# KiCad board copy.kicad_pcb (continued)
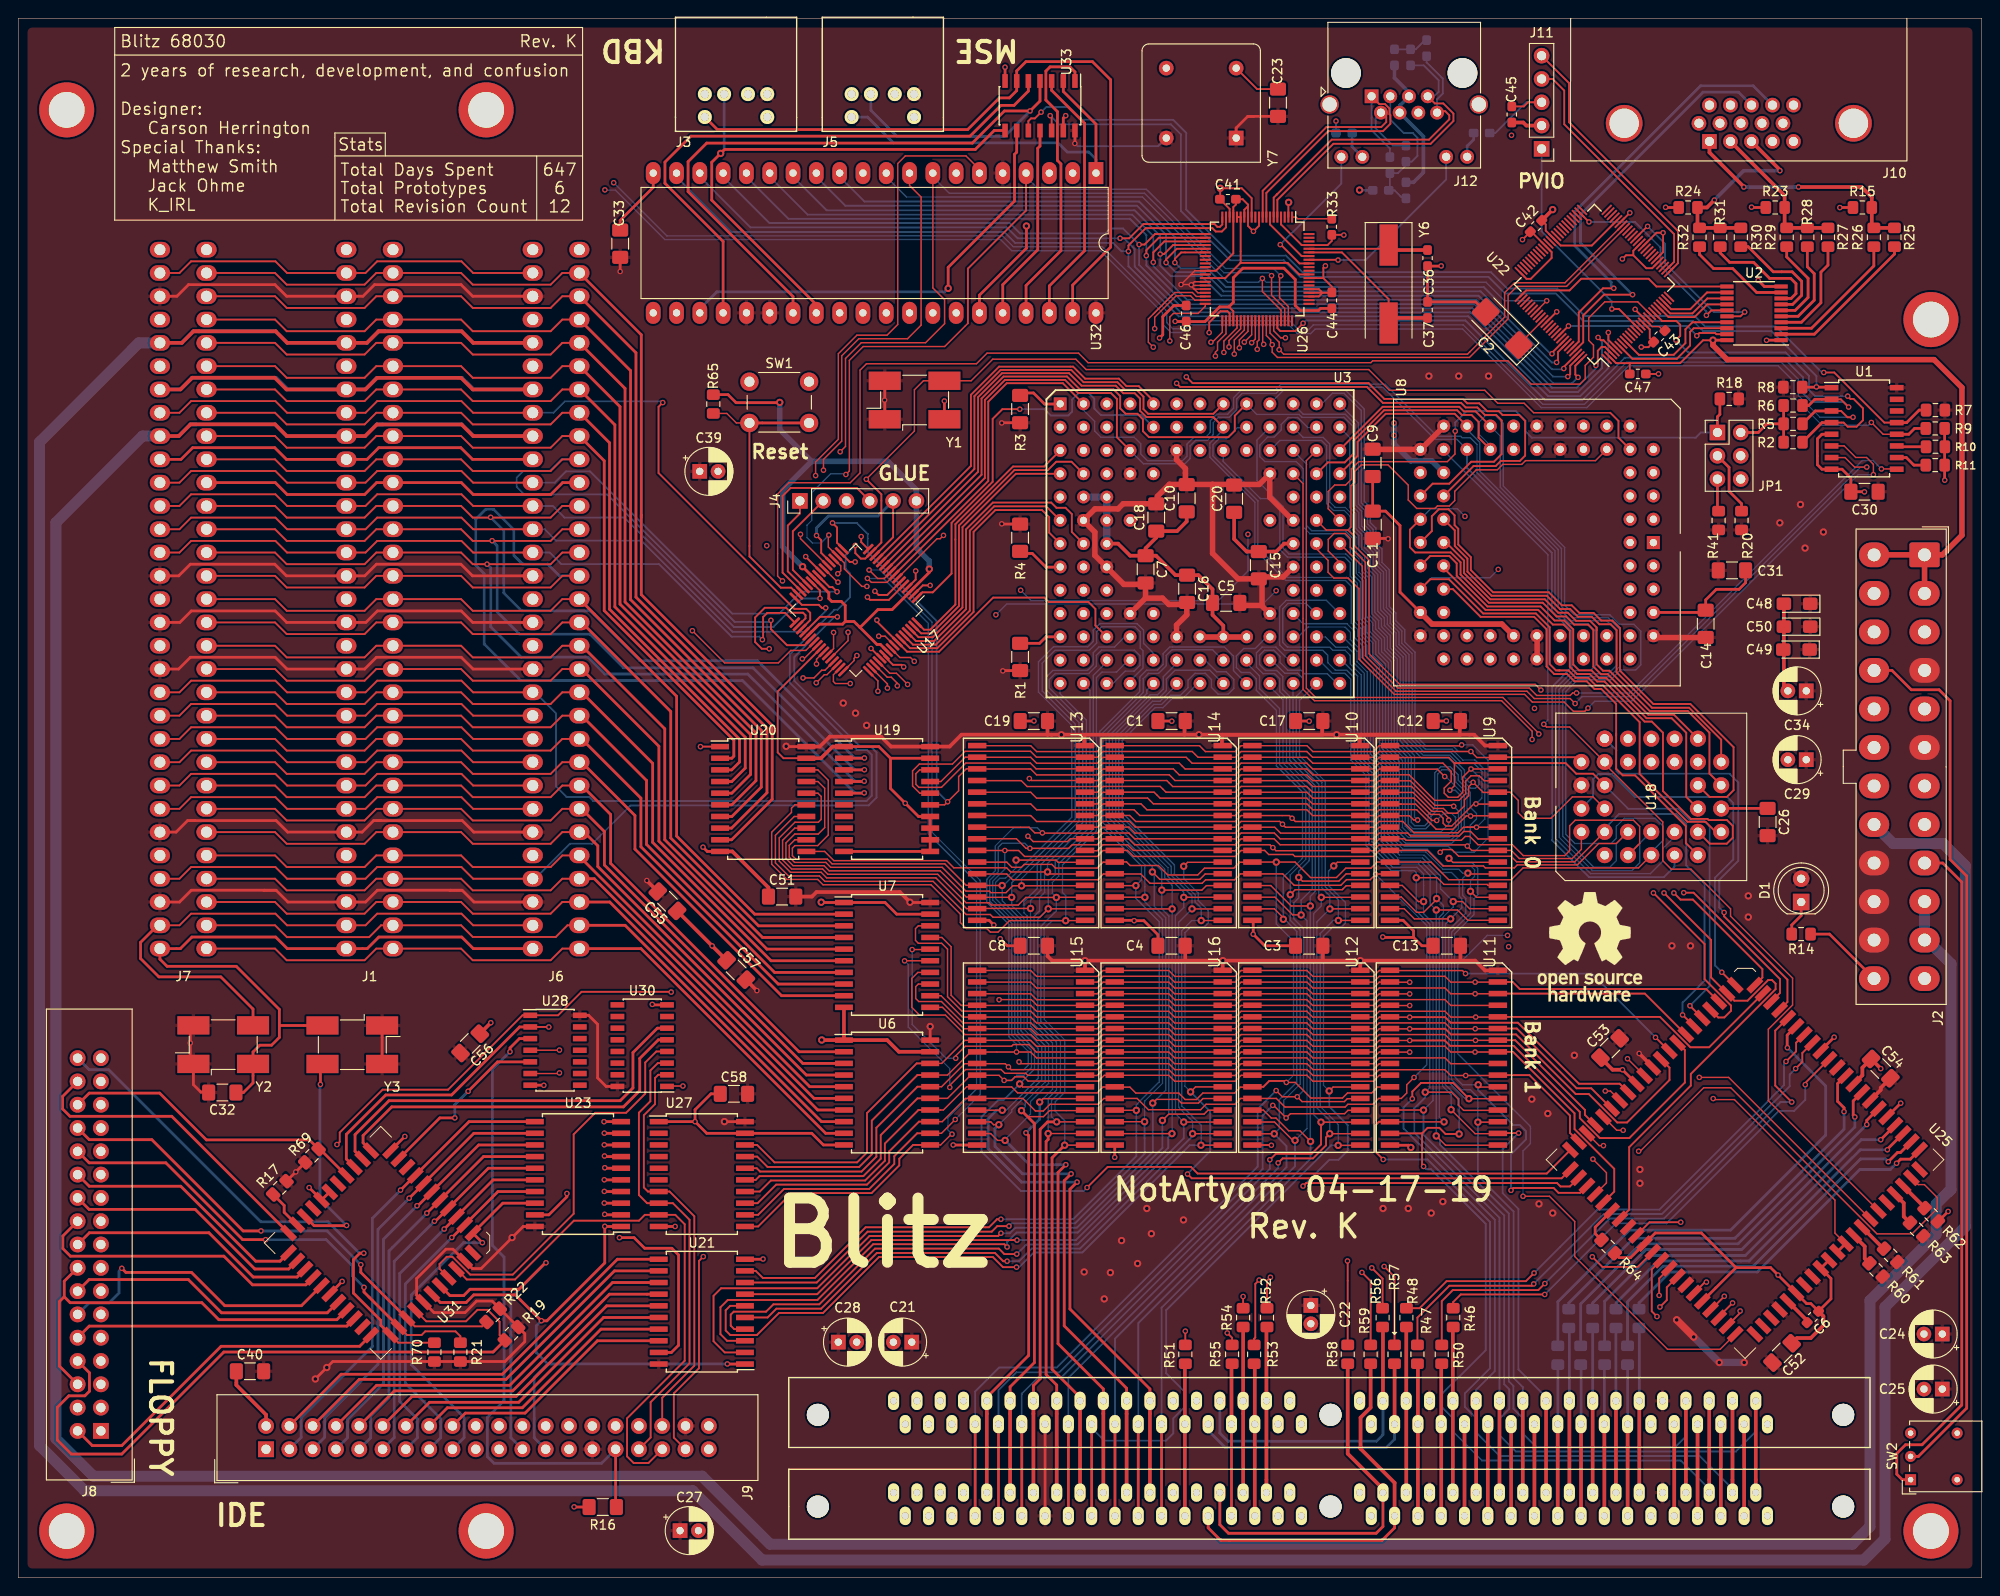
[diagram p0: board, top side]
## Routing (per net, layer and track width the routed paths; a pad name or vN(x,y) marks a point on that pad's centre or on a via; arc(x,y) is an arc through that point) (continued)
  Bottom w0.2: v1(168.89,130.94) 167.29,130.94 158.92,139.31 127.39,139.31 123.71,142.99 v1(123.71,143.41) 123.71,146.29 121.4,148.6 86.03,148.6 81.9,152.73 U32.15
/D28: length 446.4
  Top w0.15: U20.14 84.57,82.98 82.52,80.93 82.52,77.93 83.95,76.5 87.32,76.5 87.91,75.91 99.71,75.91 103.32,72.3 105.94,72.3 106.24,72 111.34,72 v2(112.26,72.92) 115.99,72.92 116,72.91 ; 115.98,48.41 115.97,48.42 v2(112.25,48.42)
  Top w0.2: 155.33,112.7 155.77,112.7 157.58,110.89 157.58,109.52 160.44,106.66 166.39,106.66 167.85,105.2 168.9,105.2 169.78,104.32 171.31,104.32 172.03,103.6 172.03,103.3 ; 172.03,103.3 172.03,103.5 ; 172.03,103.3 172.03,99.58 172.73,98.88 173.42,98.88 177.82,94.48 181.97,94.48 184.33,92.12 184.33,87.67 U18.18 ; v1(170.01,130.86) 169.71,131.16 169.71,132.12 U22.100 ; v1(122.95,144.13) 122.95,144.72 124.31,146.08 U26.22
  Top w0.3: v1(63.92,44.69) 63.97,44.63 U23.6 ; v2(112.25,48.42) 112.25,47.78 112.03,47.55 112.03,22.15 113.18,20.99 U5.58
  Top w0.4: U5.58 U24.58
  In1.Cu w0.15: v2(112.25,48.42) 111.68,48.42 111.14,47.88 108.63,47.88 107.97,48.54 106.42,48.54 106,48.96 100.43,48.96 96.16,44.69 v1(63.92,44.69)
  In2.Cu w0.15: U3.N2 117.58,98.97 117.58,100.53 118.22,101.17 119.47,101.17 119.81,101.51 121.7,101.51 122.24,102.05 122.24,103.22 123.03,104.01 124.57,104.01 125.99,105.43 125.99,107.67 130.66,112.34 136.37,112.34 138.33,114.3 150.62,114.3 150.98,113.94 154.27,113.94 U8.36 156.41,112.85 163.13,119.57 166.41,119.57 169.12,122.28 169.12,126.19 165.25,130.06 165.25,134.12 166.19,135.06 171.45,135.06 172.56,133.95 172.56,131.64 171.78,130.86 v1(170.01,130.86)
  Bottom w0.15: v2(112.25,48.42) 112.25,52.25 113.16,53.16 113.16,58.38 111.11,60.43 111.11,71.77 v2(112.26,72.92) 112.26,75.9 113.01,76.65 113.01,78.05 116.81,81.85 116.81,96.74 116.08,97.47
  Bottom w0.2: v1(170.01,130.86) 169.37,130.22 167.3,130.22 158.68,138.84 127.17,138.84 122.95,143.06 v1(122.95,144.13) 122.95,146.36 121.16,148.15 83.94,148.15 79.36,152.73 U32.16
/D29: length 461.3
  Top w0.15: 116,74.18 113.16,74.18 v2(113.14,74.16) 109.82,74.16 108.99,73.33 106.05,73.33 105.8,73.58 103.31,73.58 100.21,76.68 88.24,76.68 87.66,77.26 84.29,77.26 83.3,78.25 83.3,80.39 84.62,81.72 U20.13 ; 115.98,49.69 115.97,49.69 v2(113.18,49.69)
  Top w0.2: U18.19 184.34,85.12 186.23,85.12 186.96,85.85 186.96,90.54 182.25,95.25 178.21,95.25 174.58,98.88 174.58,103.52 173.75,104.35 172.53,104.35 171.7,105.18 170.15,105.18 169.32,106.01 168.24,106.01 166.82,107.43 160.74,107.43 158.32,109.85 158.32,111.26 156.95,112.63 156.95,114.35 156.55,114.75 156.55,115.82 155.89,116.48 154.83,116.48 154.07,115.72 154.07,114.1 U8.35 ; v1(171.95,132.16) 172.16,132.37 172.16,133.76 172.58,134.18 172.94,134.18 U22.3 ; U26.21 123.89,146.48 122.75,145.34 v1(122.16,145.34)
  Top w0.3: U5.60 110.64,20.94 111.38,21.68 111.38,48.88 112.19,49.69 v2(113.18,49.69) ; U23.7 63.96,45.91 v1(63.89,45.97)
  Top w0.4: U5.60 U24.60
  In1.Cu w0.15: v1(63.89,45.97) 64.63,45.97 65.07,45.53 95.73,45.53 100.75,50.55 106.46,50.55 106.89,50.12 112.75,50.12 v2(113.18,49.69)
  In2.Cu w0.15: U3.M3 119.34,100.73 119.58,100.73 120.01,101.16 121.84,101.16 122.59,101.91 122.59,103.07 123.19,103.67 124.73,103.67 126.32,105.26 126.32,107.5 130.81,111.99 136.5,111.99 138.46,113.95 150.45,113.95 151.55,112.85 U8.35 153.86,111.81 155.92,111.81 163.31,119.2 166.54,119.2 169.48,122.14 169.48,126.34 165.62,130.2 165.62,133.92 166.4,134.7 171.27,134.7 172.13,133.84 172.13,132.76 171.95,132.58 v1(171.95,132.16)
  Bottom w0.15: v2(113.18,49.69) 112.61,50.26 112.61,52.03 113.58,53 113.58,58.52 111.46,60.64 111.46,71.02 113.14,72.7 v2(113.14,74.16) 112.71,74.59 112.71,75.8 113.41,76.5 113.41,77.85 117.17,81.61 117.17,98.37 118.57,99.77
  Bottom w0.2: v1(171.95,132.16) 171.95,131.83 169.86,129.74 167.14,129.74 158.48,138.4 126.88,138.4 122.16,143.12 v1(122.16,145.34) 120.41,147.09 119.03,147.09 118.49,146.55 109.19,146.55 108.05,147.69 81.86,147.69 76.82,152.73 U32.17
/D30: length 463.1
  Top w0.15: U20.12 84.63,80.44 84.03,79.84 84.03,78.56 84.61,77.98 88.01,77.98 88.55,77.44 100.7,77.44 103.29,74.85 105.84,74.85 106.01,74.68 107.65,74.68 108.4,75.43 v2(109.35,75.43) 115.99,75.43 116,75.44 ; v2(109.34,50.92) 110,50.26 111.74,50.26 112.4,50.92 115.94,50.92 115.98,50.96
  Top w0.2: U18.20 185.61,91.35 182.12,94.84 178.07,94.84 174.2,98.71 174.2,103.31 173.57,103.94 172.33,103.94 171.52,104.75 170,104.75 169.15,105.6 168.05,105.6 166.6,107.05 160.58,107.05 157.95,109.68 157.95,111.1 156.57,112.48 156.57,114.18 U8.34 ; v1(120.09,146.02) 121.08,146.02 122.63,147.57 130.39,147.57 130.69,147.27 130.97,147.27 131.23,147.53 U26.20 ; v1(172.19,135.21) 172.49,134.91 172.78,134.91 U22.4
  Top w0.3: U23.8 63.88,47.18 v1(63.87,47.19) ; v2(109.34,50.92) 110.75,49.51 110.75,23.45 108.1,20.8 U5.62
  Top w0.4: U5.62 U24.62
  In1.Cu w0.15: v1(63.87,47.19) 64.96,47.19 65.74,46.41 95.27,46.41 100.65,51.79 108.47,51.79 v2(109.34,50.92)
  In2.Cu w0.15: U3.L4 121.18,102.96 122.63,104.41 122.63,107.49 129.31,114.17 129.31,115.08 130.62,116.39 149.98,116.39 152.08,114.29 154.26,114.29 U8.34 156.07,114.68 157.71,114.68 162.95,119.92 165.1,119.92 166.96,121.78 166.96,126.45 164.88,128.53 164.88,134.3 166.01,135.43 171.98,135.43 172.22,135.19
  Bottom w0.15: v2(109.34,50.92) 109.74,51.32 109.74,51.85 111.93,54.04 111.93,57.99 109.96,59.96 109.96,72.15 109.61,72.5 109.61,73.7 111.06,75.15 111.06,77.92 111.34,78.2 ; 111.34,78.2 109.35,76.21 v2(109.35,75.43) ; 111.34,78.2 115.61,82.47 115.61,93.23 111.99,96.85 111.99,98.15 112.75,98.91 116.54,98.91 117.17,99.54 117.17,100.85 117.78,101.46 119.48,101.46 120.57,102.55 121.16,102.55
  Bottom w0.2: U32.18 74.28,152.73 79.8,147.21 107.73,147.21 108.92,146.02 v1(120.09,146.02) 120.51,146.02 121.68,144.85 121.68,142.94 126.67,137.95 158.27,137.95 166.96,129.26 170.01,129.26 172.62,131.87 172.62,134.78 v1(172.19,135.21)
/D31: length 455.9
  Top w0.15: 115.98,52.22 111.69,52.22 v2(111.32,51.85) ; 116,76.72 112.41,76.72 v2(112.18,76.94) 108.17,76.94 107.72,77.39 101.96,77.39 101.18,78.17 88.89,78.17 87.88,79.18 U20.11
  Top w0.2: U8.33 151.68,114.25 151.68,112.34 152.25,111.77 156.13,111.77 157.2,110.7 157.2,109.37 160.28,106.29 166.16,106.29 167.66,104.79 168.7,104.79 169.59,103.9 171.1,103.9 171.67,103.33 171.67,99.33 172.51,98.49 173.25,98.49 177.66,94.08 180.46,94.08 U18.21 ; v1(173.31,135.75) 173.31,134.94 U22.5 ; v1(121,144.6) 121,145.24 122.89,147.13 130.15,147.13 130.52,146.76 131.18,146.76 131.63,147.21 U26.19
  Top w0.3: v1(109.82,48.5) 110.12,48.2 110.12,24.24 105.56,19.67 U5.64 ; U23.9 63.88,48.44 v1(63.87,48.46)
  Top w0.4: U5.64 U24.64
  In1.Cu w0.15: v2(111.32,51.85) 110.75,51.85 110.39,52.21 100.46,52.21 95.11,46.86 66.05,46.86 64.45,48.46 v1(63.87,48.46)
  In2.Cu w0.15: U8.33 151.54,115.39 150.19,116.74 130.47,116.74 128.95,115.22 128.95,114.3 122.29,107.64 122.29,104.59 121.58,103.88 120.7,103.88 119.94,103.12 119.94,102.25 119.21,101.52 117.96,101.52 117.21,100.77 117.21,99.39 116.56,98.74 114.81,98.74 U3.N1 ; v1(157.68,115.7) 158.18,115.7 162.78,120.31 164.93,120.31 166.58,121.95 166.58,126.28 164.56,128.31 164.56,134.48 165.86,135.78 171.55,135.78 171.79,136.03 172.61,136.03 172.89,135.75 v1(173.31,135.75)
  Bottom w0.15: v2(111.32,51.85) 112.73,53.26 112.73,58.29 110.71,60.31 110.71,72.1 111.31,72.7 111.31,74.15 111.86,74.7 111.86,76.62 v2(112.18,76.94) 112.18,77.87 116.41,82.1 116.41,93.5 113.54,96.37 113.54,97.47 ; U8.33 153.96,116.53 156.85,116.53 v1(157.68,115.7)
  Bottom w0.2: U32.19 71.74,152.73 77.76,146.71 107.46,146.71 108.65,145.52 119.32,145.52 120.23,144.61 120.99,144.61 v1(121,144.6) 121,142.97 126.46,137.51 158.04,137.51 166.74,128.81 170.25,128.81 173.31,131.87 v1(173.31,135.75)
  Bottom w0.3: v1(109.82,48.5) 111.32,50 v2(111.32,51.85)
/G0: length 11.7
  Top w0.3: 192.14,136.87 194.36,136.87 196.48,138.99 196.48,142.33 197.25,143.1 R27.2
/G1: length 10.5
  Top w0.3: U2.5 194,137.51 195.75,139.27 195.75,142.17 195,142.92 R28.2
/G2: length 10
  Top w0.3: U2.6 193.68,138.17 195.08,139.57 195.08,141.66 192.75,143.99 R29.2
/IA0: length 79.9
  Top w0.2: J1.A31 48.26,68.58 49.53,67.31 58.02,67.31 59.29,68.58 J6.A31 ; 40.87,68.58 39.01,68.58 37.74,67.31 29.25,67.31 27.98,68.58 20.55,68.58
  Top w0.3: U6.9 88,48.44 67.86,68.58 J6.A31
/IA1: length 80.4
  Top w0.2: J6.A30 59.85,71.12 58.58,69.85 49.53,69.85 48.26,71.12 J1.A30 39.53,71.12 38.24,69.83 29.27,69.83 27.98,71.12 20.55,71.12
  Top w0.3: J6.A30 66.14,71.12 87.54,49.72 89.99,49.72
/IA2: length 81
  Top w0.2: J1.A29 48.26,73.66 49.53,72.39 58.02,72.39 59.29,73.66 J6.A29 ; 20.55,73.66 27.98,73.66 29.25,72.39 37.74,72.39 39.01,73.66 40.87,73.66
  Top w0.3: U6.7 87.13,50.99 64.46,73.66 J6.A29
/IA3: length 81.5
  Top w0.2: J6.A28 59.29,76.2 58.02,74.93 49.53,74.93 48.26,76.2 J1.A28 ; 20.55,76.2 27.98,76.2 29.25,74.93 37.74,74.93 39.01,76.2 40.87,76.2
  Top w0.3: J6.A28 62.78,76.2 86.72,52.25 U6.6
/IA4: length 82.1
  Top w0.2: J1.A27 48.26,78.74 49.53,77.47 58.02,77.47 59.29,78.74 J6.A27 ; 40.87,78.74 39.01,78.74 37.74,77.47 29.25,77.47 27.98,78.74 20.55,78.74
  Top w0.3: 61.11,78.76 61.11,78.68 86.26,53.53 U6.5
/IA5: length 83.9
  Top w0.2: J1.A26 48.26,81.28 49.53,80.01 58.02,80.01 59.29,81.28 J6.A26 ; 40.87,81.28 39.01,81.28 37.74,80.01 29.25,80.01 27.98,81.28 20.55,81.28
  Top w0.3: U6.4 85.9,54.79 63.16,77.53 63.16,79.79 61.67,81.28 J6.A26
/IA6: length 85.2
  Top w0.2: J1.A25 48.26,83.82 49.53,82.55 58.02,82.55 59.29,83.82 J6.A25 ; 40.87,83.82 39.01,83.82 37.74,82.55 29.25,82.55 27.98,83.82 20.55,83.82
  Top w0.3: U6.3 85.5,56.06 63.88,77.69 63.88,81.34 61.4,83.82 J6.A25
/IA7: length 86.7
  Top w0.2: J1.A24 48.26,86.36 49.53,85.09 58.02,85.09 59.29,86.36 J6.A24 ; 20.55,86.36 27.98,86.36 29.25,85.09 37.74,85.09 39.01,86.36 40.87,86.36
  Top w0.3: 89.99,57.34 85.09,57.34 64.56,77.87 64.56,83.2 61.4,86.36 J6.A24
/IA8: length 84.3
  Top w0.2: J1.A23 48.26,88.9 49.53,87.63 58.02,87.63 59.29,88.9 J6.A23 ; 40.87,88.9 39.01,88.9 37.74,87.63 29.25,87.63 27.98,88.9 20.55,88.9
  Top w0.3: J6.A23 61.4,88.9 67.21,83.09 67.21,79.43 83.19,63.44 U7.9
/IA9: length 88
  Top w0.2: J6.A22 59.29,91.44 58.02,90.17 49.53,90.17 48.26,91.44 J1.A22 ; 20.55,91.44 27.98,91.44 29.25,90.17 37.74,90.17 39.01,91.44 40.87,91.44
  Top w0.3: J6.A22 61.4,91.44 67.86,84.98 67.86,79.68 82.82,64.72 89.99,64.72 ; 61.16,91.44 61.92,91.44 ; 20.51,91.42 21.27,91.42 ; 40.87,91.44 41.63,91.44
/IA10: length 87.3
  Top w0.2: J1.A21 48.26,93.98 49.53,92.71 58.02,92.71 59.29,93.98 J6.A21 ; 20.55,93.98 27.98,93.98 29.25,92.71 37.74,92.71 39.01,93.98 40.87,93.98
  Top w0.3: U7.7 82.43,65.99 68.47,79.94 68.47,86.91 61.4,93.98 J6.A21
/IA11: length 88.8
  Top w0.2: 20.55,96.52 27.98,96.52 29.25,95.25 37.74,95.25 39.01,96.52 40.87,96.52 ; J1.A20 48.26,96.52 49.53,95.25 58.02,95.25 59.29,96.52 J6.A20
  Top w0.3: J6.A20 61.4,96.52 69.14,88.78 69.14,80.16 82.04,67.25 U7.6
/IA12: length 90.3
  Top w0.2: J1.A19 48.26,99.06 49.53,97.79 58.02,97.79 59.29,99.06 J6.A19 ; 20.55,99.06 27.98,99.06 29.25,97.79 37.74,97.79 39.01,99.06 40.87,99.06
  Top w0.3: U7.5 81.59,68.53 69.82,80.3 69.82,90.64 61.4,99.06 J6.A19
/IA13: length 91.8
  Top w0.2: J1.A18 48.26,101.6 49.53,100.33 58.02,100.33 59.29,101.6 J6.A18 ; 20.55,101.6 27.98,101.6 29.25,100.33 37.74,100.33 39.01,101.6 40.87,101.6
  Top w0.3: J6.A18 61.4,101.6 70.46,92.54 70.46,80.45 81.12,69.79 U7.4
/IA14: length 93.4
  Top w0.2: J6.A17 59.29,104.14 58.02,102.87 49.53,102.87 48.26,104.14 J1.A17 ; 40.87,104.14 39.01,104.14 37.74,102.87 29.25,102.87 27.98,104.14 20.55,104.14
  Top w0.3: U7.3 80.69,71.06 71.11,80.64 71.11,94.43 61.4,104.14 J6.A17
/IA15: length 94.7
  Top w0.2: J1.A16 48.26,106.68 49.53,105.41 58.02,105.41 59.29,106.68 J6.A16 ; 20.55,106.68 27.98,106.68 29.25,105.41 37.74,105.41 39.01,106.68 40.87,106.68
  Top w0.3: 89.99,72.34 80.26,72.34 71.75,80.85 71.75,96.09 61.16,106.68
/IA16: length 123.5
  Top w0.2: J1.A15 48.26,109.22 49.53,107.95 58.02,107.95 59.29,109.22 J6.A15 ; 20.55,109.22 27.98,109.22 29.25,107.95 37.74,107.95 39.01,109.22 40.87,109.22
  Top w0.3: v1(92.2,85.56) 92.16,85.53 U19.5
  Bottom w0.3: v1(92.2,85.56) 91.18,85.56 78.94,97.8 54.77,97.8 50.78,101.79 50.78,109.45 49.85,110.38 49.85,115.39 50.93,116.47 51.81,116.47 54.01,114.27 54.01,111.45 54.96,110.5 57.7,110.5 58.98,109.22 J6.A15
/IA17: length 99.6
  Top w0.2: J1.A14 48.26,111.76 49.53,110.49 58.02,110.49 59.29,111.76 J6.A14 ; 20.55,111.76 27.98,111.76 29.25,110.49 37.74,110.49 39.01,111.76 40.87,111.76
  Top w0.3: U19.4 92.16,86.8 v1(92.2,86.83)
  Bottom w0.3: v1(51.09,110.49) 51.49,110.09 51.49,103.66 54.8,100.35 62.1,100.35 63.94,98.52 79.51,98.52 91.2,86.83 v1(92.2,86.83)
/IA18: length 100.1
  Top w0.2: 20.55,114.3 27.98,114.3 29.25,113.03 37.74,113.03 39.01,114.3 40.87,114.3 ; J6.A13 59.29,114.3 58.02,113.03 49.53,113.03 48.26,114.3 J1.A13
  Top w0.3: U19.3 92.21,88.06 v1(92.22,88.08)
  Bottom w0.3: v1(51.64,113.05) 52.18,112.51 52.18,105.3 54.61,102.87 62.3,102.87 65.98,99.19 80.07,99.19 91.18,88.08 v1(92.22,88.08)
/IA19: length 100.6
  Top w0.2: J1.A12 48.26,116.84 49.53,115.57 58.02,115.57 59.29,116.84 J6.A12 ; 20.55,116.84 27.98,116.84 29.25,115.57 37.74,115.57 39.01,116.84 40.87,116.84
  Top w0.3: U19.2 92.19,89.33 v1(92.22,89.36)
  Bottom w0.3: v1(51.48,115.6) 52.91,114.17 52.91,107.35 54.85,105.41 62.31,105.41 67.75,99.97 80.55,99.97 91.16,89.36 v1(92.22,89.36)
/ID0: length 86.2
  Top w0.2: J1.A9 48.26,124.46 49.53,123.19 58.02,123.19 59.29,124.46 J6.A9 ; 20.55,124.46 27.98,124.46 29.25,123.19 37.74,123.19 39.01,124.46 40.87,124.46
  Top w0.3: 61.16,124.46 63.86,121.76 63.86,105.43 77.99,91.3 77.99,89.56 77.76,89.33 U20.2
/ID1: length 90.5
  Top w0.2: J6.A8 59.29,127 58.02,125.73 49.53,125.73 48.26,127 J1.A8 ; 40.87,127 39.01,127 37.74,125.73 29.25,125.73 27.98,127 20.55,127
  Top w0.3: U20.3 77.75,88.06 78.61,88.92 78.61,91.41 64.44,105.58 64.44,123.72 61.16,127
/ID2: length 94.9
  Top w0.2: J1.A7 48.26,129.54 49.53,128.27 58.02,128.27 59.29,129.54 J6.A7 ; 20.55,129.54 27.98,129.54 29.25,128.27 37.74,128.27 39.01,129.54 40.87,129.54
  Top w0.3: 61.16,129.54 65.02,125.68 65.02,105.84 79.23,91.63 79.23,88.26 77.76,86.8 U20.4
/ID3: length 99.1
  Top w0.2: J1.A6 48.26,132.08 49.53,130.81 58.02,130.81 59.29,132.08 J6.A6 ; 40.87,132.08 39.01,132.08 37.74,130.81 29.25,130.81 27.98,132.08 20.55,132.08
  Top w0.3: U20.5 77.76,85.53 79.81,87.57 79.81,91.91 65.58,106.14 65.58,127.66 61.16,132.08
/ID4: length 103.4
  Top w0.2: J1.A5 48.26,134.62 49.53,133.35 58.02,133.35 59.29,134.62 J6.A5 ; 40.87,134.62 39.01,134.62 37.74,133.35 29.25,133.35 27.98,134.62 20.55,134.62
  Top w0.3: U20.6 77.76,84.25 80.4,86.89 80.4,92.1 66.13,106.37 66.13,129.65 61.16,134.62
/ID5: length 107.7
  Top w0.2: J1.A4 48.26,137.16 49.53,135.89 58.02,135.89 59.29,137.16 J6.A4 ; 40.87,137.16 39.01,137.16 37.74,135.89 29.25,135.89 27.98,137.16 20.55,137.16
  Top w0.3: U20.7 77.78,82.98 80.98,86.19 80.98,92.38 66.73,106.63 66.73,131.59 61.16,137.16
/ID6: length 112
  Top w0.2: J1.A3 48.26,139.7 49.53,138.43 58.02,138.43 59.29,139.7 J6.A3 ; 20.55,139.7 27.98,139.7 29.25,138.43 37.74,138.43 39.01,139.7 40.87,139.7
  Top w0.3: 61.16,139.7 67.32,133.54 67.32,106.9 81.6,92.62 81.6,85.57 77.75,81.72 U20.8
/ID7: length 116.6
  Top w0.2: J6.A2 59.29,142.24 58.02,140.97 49.53,140.97 48.26,142.24 J1.A2 ; 20.55,142.24 27.98,142.24 29.25,140.97 37.74,140.97 39.01,142.24 40.87,142.24
  Top w0.3: U20.9 77.75,80.44 82.17,84.87 82.17,92.9 67.9,107.17 67.9,115.86 ; 67.9,115.86 67.9,115.58 ; 67.9,115.86 67.9,135.5 61.16,142.24
/IOA0: length 61.3
  Top w0.2: J9.35 68.68,12.5 67.07,12.5 66.35,13.22 66.35,17.37 72.63,23.65 72.63,38.53 71.6,39.56 U27.9 68.28,39.56 67.65,38.92 60.55,38.92 54.14,32.51 48.88,32.51 U31.4
/IOA1: length 50.2
  Top w0.2: J9.33 68.92,15.28 68.92,19.13 73.16,23.37 73.16,39.01 71.34,40.82 U27.8 68.53,40.82 67.64,41.72 67.64,50.69 68.89,51.94 68.89,55.29 69.69,56.09 U30.3
/IOA2: length 45
  Top w0.2: J9.36 70.18,19.61 73.68,23.11 73.68,39.4 70.99,42.09 U27.7 68.62,42.09 68.18,42.54 68.18,50.41 69.4,51.63 69.4,54.47 69.75,54.82 U30.2
/IOD16: length 47.8
  Top w0.3: U21.11 65.29,34.72 52.76,22.18 35.18,22.18 J9.4
/IOD17: length 44.7
  Top w0.3: U21.12 64.97,33.44 53.15,21.62 37.16,21.62 J9.6
/IOD18: length 41.7
  Top w0.3: J9.8 39.05,20.97 53.56,20.97 64.76,32.18 U21.13
/IOD19: length 38.6
  Top w0.3: J9.10 40.99,20.37 53.89,20.37 64.43,30.91 U21.14
/IOD20: length 35.5
  Top w0.3: J9.12 42.91,19.75 54.24,19.75 64.12,29.63 U21.15
/IOD21: length 32.5
  Top w0.3: J9.14 44.82,19.12 54.54,19.12 63.78,28.37 U21.16
/IOD22: length 29.4
  Top w0.3: J9.16 46.76,18.52 54.93,18.52 63.5,27.09 U21.17
/IOD23: length 26.3
  Top w0.3: J9.18 48.72,17.94 55.23,17.94 63.12,25.82 U21.18
/IOD24: length 39.4
  Top w0.3: U23.18 52.81,40.82 U31.7 49.55,37.55 v1(50.58,36.52)
  Bottom w0.3: J9.17 48.59,15.27 48.59,17.46 42.83,23.22 42.83,30.82 48.53,36.52 v1(50.58,36.52)
/IOD25: length 38.4
  Top w0.3: U23.17 52.28,42.09 U31.8 47.26,37.08 v1(47.24,37.08)
  Bottom w0.3: v1(47.24,37.08) 42.18,32.02 42.18,21.2 46.04,17.34 46.04,15.26 J9.15
/IOD26: length 39.5
  Top w0.3: v1(46.42,38.01) 47.75,39.34 U31.9 51.75,43.37 U23.16
  Bottom w0.3: J9.13 43.5,15.26 43.5,17.29 41.57,19.22 41.57,33.16 v1(46.42,38.01)
/IOD27: length 40.5
  Top w0.3: v1(45.35,38.86) 45.45,38.86 U31.10 51.23,44.63 U23.15
  Bottom w0.3: J9.11 40.97,15.27 40.97,34.48 v1(45.35,38.86)
/IOD28: length 43.1
  Top w0.3: U23.14 50.7,45.91 U31.11 45.94,41.16 v1(44.52,39.74)
  Bottom w0.3: v1(44.52,39.74) 40.4,35.62 40.4,19.6 38.41,17.61 38.41,15.25 J9.9
/IOD29: length 45.8
  Top w0.3: U23.13 50.18,47.18 U31.12 43.55,40.55 v1(43.46,40.55)
  Bottom w0.3: J9.7 35.88,15.26 35.88,17.24 39.8,21.16 39.8,36.89 v1(43.46,40.55)
/IOD30: length 48.4
  Top w0.3: v1(42.6,41.37) 44.16,42.93 U31.13 49.65,48.44 U23.12
  Bottom w0.3: v1(42.6,41.37) 39.2,37.97 39.2,23.26 33.39,17.45 33.39,15.31 J9.5
/IOD31: length 51
  Top w0.3: U23.11 49.12,49.72 U31.14 41.66,42.25 v1(41.66,42.25)
  Bottom w0.3: J9.3 30.83,15.29 30.83,17.44 38.59,25.2 38.59,39.18 v1(41.66,42.25)
/QA0: length 18
  Top w0.4: U24.12 U5.12
  Bottom w0.3: R12.1 176.68,27.19 U5.12
/QA1: length 16.5
  Top w0.4: U24.13 U5.13
  Bottom w0.3: U5.13 175.41,23.21 R13.1
/QA2: length 18
  Top w0.4: U24.14 U5.14
  Bottom w0.3: U5.14 174.14,27.22 R40.1
/QA3: length 16.5
  Top w0.4: U24.15 U5.15
  Bottom w0.3: R42.1 172.87,23.2 U5.15
/QA4: length 18
  Top w0.4: U24.16 U5.16
  Bottom w0.3: U5.16 171.6,27.22 R43.1
/QA5: length 16.5
  Top w0.4: U24.17 U5.17
  Bottom w0.3: R44.1 170.33,23.19 U5.17
/QA6: length 18
  Top w0.4: U24.18 U5.18
  Bottom w0.3: R45.1 169.06,27.16 U5.18
/QA7: length 18.1
  Top w0.4: R46.1 156.36,27.29 U5.28 U24.28 156.4,9.24
/QA8: length 16.6
  Top w0.4: R47.1 152.55,23.27 U5.31 U24.31
/QA9: length 18.1
  Top w0.4: R48.1 151.28,27.31 U5.32 U24.32
/QA10: length 16.5
  Top w0.4: U24.19 U5.19
  Bottom w0.3: R49.1 167.8,16.74 U5.19
/QA11: length 16.6
  Top w0.4: R50.1 155.09,23.27 U5.29 U24.29
/R0: length 16.8
  Top w0.3: R25.2 204.5,144.3 195.76,135.56 U2.2
/R1: length 15
  Top w0.3: U2.3 195.45,136.22 202.25,143.01 R26.2
/RAS0: length 33.7
  Top w0.4: U5.34 148.74,27.28 R56.1
  Bottom w0.3: U5.44 130.96,15.76 131.85,14.87 148.03,14.87 148.74,15.58 U5.34
/RAS1: length 30.4
  Top w0.4: U5.33 150.01,23.31 R57.1
  Bottom w0.3: U5.45 129.69,16.04 131.55,14.18 149.09,14.18 150.01,15.1 U5.33
/RAS2: length 41.3
  Top w0.3: U24.44 130.96,5.78 131.9,4.84 148,4.84 148.74,5.58 U24.34
  Top w0.4: R58.1 144.9,13.52 148.74,9.67 U24.34
/RAS3: length 42.6
  Top w0.3: U24.45 129.69,5.43 131.06,4.06 148.64,4.06 150.01,5.43 U24.33
  Top w0.4: U24.33 150.01,10.34 146.3,14.05 146.3,17.45 147.4,18.55 R59.1
/RXI+: length 35.4
  Top w0.2: U26.5 137.23,150.21 143.34,156.32 153.94,156.32 156.43,158.81 156.43,159.62 155.32,160.72 154.4,160.72 J12.7
  Bottom w0.2: R37.2 153.18,164.88 154.81,163.24 154.81,161.99 154.32,161.5 J12.7
/RXI-: length 34.1
  Top w0.2: U26.6 136.83,150.45 137.22,150.83 ; 137.22,150.83 137.12,150.73 ; 137.22,150.83 143.16,156.78 153.76,156.78 155.97,158.99 155.97,159.43 155.53,159.88 154.79,159.88 J12.8
  Bottom w0.2: R36.1 153.5,165.19 155.26,163.43 155.26,161.81 154.64,161.18 J12.8
/TXO+: length 30.9
  Top w0.2: J12.1 148.35,160.65 148.97,160.65 149.45,160.17 149.45,159.55 149.55,159.45 149.55,158.51 148.74,157.7 142.77,157.7 136.03,150.96 U26.8
  Bottom w0.2: R38.2 149.5,155.81 147.5,157.81 J12.1
/TXO-: length 26.8
  Top w0.2: U26.9 135.63,151.2 142.58,158.15 148.56,158.15 149.1,158.69 149.1,159.26 148.64,159.72 J12.2
  Bottom w0.2: R39.1 149.82,156.12 147.95,157.99 147.95,159.15 J12.2
_RW0: length 90.9
  Top w0.15: 146.09,80.54 137.53,80.54 136.9,81.18 133.28,81.18 132.65,80.54 131.09,80.54 ; v1(110.04,80.83) 110.62,80.25 114.36,80.25 114.67,80.56 116.27,80.56 ; 146.15,80.54 147.71,80.54 148.34,81.18 151.44,81.18 151.76,80.86 157.05,80.86 157.54,81.35 158.29,81.35 159.11,80.53 160.99,80.53 ; 116.04,80.54 117.59,80.54 118.23,81.18 121.05,81.18 121.68,80.56 U14.24 ; v1(90.68,97.48) 89.06,97.48 88.84,97.7 88.84,98.44 U17.47
  In2.Cu w0.15: v1(110.04,80.83) 109.48,80.27 109.48,79 109.8,78.68 109.8,77.9 109.27,77.37 107.97,77.37 106.7,78.64 106.7,83.1 94.07,95.73 93.41,95.73 91.66,97.48 v1(90.68,97.48)
_RW1: length 109.8
  Top w0.15: 131.09,56.03 132.65,56.03 133.28,56.67 140.44,56.67 141.07,56.03 146.09,56.03 ; 116.27,56.03 109.26,56.03 v1(109.07,56.23) ; 116.04,56.03 117.59,56.03 118.23,56.67 125.39,56.67 126.03,56.03 131.04,56.03 ; U17.45 87.92,98.93 87.56,98.93 86.72,98.09 v1(85.53,98.09) ; 161.15,56.03 156.13,56.03 155.5,56.67 148.34,56.67 147.71,56.03 146.15,56.03
  In2.Cu w0.2: v1(109.07,56.23) 108.7,56.23 106.23,58.7 106.23,68.48 94.86,79.85 94.86,88.38 86.26,96.98 86.26,97.36 v1(85.53,98.09)
AS: length 86.6
  Top w0.2: U17.2 98.58,108.18 v1(99.39,108.18)
  In2.Cu w0.15: v1(99.39,108.18) 102.35,111.14 110.72,111.14 112.9,108.96 114.79,108.96 U3.J2 117.43,108.98 122.16,108.98 127.88,114.7 127.88,115.69 129.99,117.8 132.31,117.8 135.93,121.42 150.21,121.42 152.32,119.31 153.46,119.31 154.21,120.06 154.21,122.12 153.93,122.4 153.93,123.59 154.78,124.44 161.12,124.44 161.73,125.05 161.73,126.07 162.37,126.71 163.37,126.71 164.06,126.02 164.06,124.68 162.98,123.6 U8.21
BYTE0: length 138.2
  Top w0.15: 161,53.49 159.37,53.49 v2(159.12,53.73) ; v1(96.93,97.38) 95.71,98.6 94.98,98.6 U17.52 ; v2(155.93,78.42) 156.37,77.99 160.99,77.99
  Top w0.2: U25.35 170.22,41.95 167.88,41.95 167.35,42.48 162.95,42.48 v1(162.7,42.23)
  In2.Cu w0.15: v2(155.93,78.42) 155.35,77.84 149.76,77.84 142.91,84.69 128.82,84.69 123.99,79.86 115.55,79.86 112.34,83.07 108.92,83.07 96.93,95.06 v1(96.93,97.38)
  Bottom w0.15: v2(155.93,78.42) 156.41,77.94 158.46,77.94 159.08,77.32 159.08,74.44 158.66,74.02 158.66,72.29 156.55,70.18 156.55,54.61 157.43,53.73 v2(159.12,53.73)
  Bottom w0.2: v2(159.12,53.73) 159.12,53.16 162.93,49.35 163.66,49.35 164.34,48.67 164.34,47.8 162.7,46.16 v1(162.7,42.23)
BYTE1: length 147.4
  Top w0.15: U17.51 94.7,98.17 95.15,98.17 95.78,97.54 95.78,97.21 ; v2(142.88,53.06) 143.31,53.49 146,53.49 ; v2(143.38,77.6) 143.78,78 145.99,78
  Top w0.2: v1(140.03,42.69) 140.36,43.02 167.72,43.02 168.09,42.65 169.12,42.65 U25.34
  In2.Cu w0.15: v1(95.81,97.23) 95.81,95.63 108.75,82.69 112.19,82.69 115.41,79.47 124.17,79.47 128.99,84.29 142.69,84.29 145.49,81.49 145.49,79.71 v2(143.38,77.6)
  Bottom w0.15: v2(143.38,77.6) 142.81,77.03 142.81,75.46 144.65,73.62 144.65,71.36 144.23,70.94 143.29,70.94 142.27,69.92 142.27,53.67 v2(142.88,53.06)
  Bottom w0.2: v2(142.88,53.06) 142.88,51.35 144.91,49.32 144.91,46.56 143.91,45.56 142.9,45.56 v1(140.03,42.69)
BYTE2: length 132.4
  Top w0.15: 130.99,77.99 127.44,77.99 v2(127.02,77.56) ; 130.99,53.5 128.31,53.5 v2(127.77,52.96) ; v1(94.73,96.98) 94.73,97.44 U17.50
  Top w0.2: v1(127.44,44) 127.9,43.54 168.22,43.54 U25.33
  In2.Cu w0.15: v1(94.73,96.98) 94.73,96.17 108.52,82.38 112.05,82.38 115.32,79.11 125.47,79.11 v2(127.02,77.56)
  Bottom w0.15: v2(127.77,52.96) 127.16,53.57 127.16,70.32 127.77,70.93 129.25,70.93 129.69,71.37 129.69,72.74 128.61,73.82 128.61,74.64 127.02,76.23 v2(127.02,77.56)
  Bottom w0.2: v1(127.44,44) 127.44,44.02 129.9,46.48 129.9,50.83 v2(127.77,52.96)
BYTE3: length 147.8
  Top w0.15: v2(108.75,78.23) 113.1,78.23 113.34,77.99 116,77.99 ; 116.27,53.5 109.47,53.5 v2(109.14,53.83) ; v1(93.69,96.64) 93.69,97.77 U17.49
  Top w0.2: U25.32 166.6,44.06 128.54,44.06 127.82,44.78 118.74,44.78 v1(116.49,42.53)
  In2.Cu w0.15: v2(108.75,78.23) 108.75,81.58 v1(93.69,96.64)
  Bottom w0.15: v2(109.14,53.83) 110.75,55.44 110.75,57.64 108.93,59.46 108.93,71.62 106.52,74.03 106.52,75.78 106.98,76.24 107.59,76.24 108.75,77.4 v2(108.75,78.23)
  Bottom w0.2: v1(116.49,42.53) 116.11,42.15 109.28,42.15 104.99,46.44 104.99,50.25 106.8,52.06 107.37,52.06 v2(109.14,53.83)
CDIS: length 71.8
  Top w0.15: v1(89.34,108.53) 89.29,108.53 U17.23
  In1.Cu w0.15: U3.H12 140.21,108.9 138.4,108.9 v1(137.1,107.6) ; v1(106.55,104.97) 106,105.52 93.1,105.52 92.47,104.89 92.47,103.02 93.87,101.62 93.87,100.72 92.66,99.51 91.33,99.51 89.58,101.26 89.58,103.32 89.99,103.73 89.99,107.88 v1(89.34,108.53)
  Bottom w0.15: v1(106.55,104.97) 107.72,106.15 135.65,106.15 v1(137.1,107.6)
